# Altium PCB A8_multiple.PcbDoc (part 7 of 10)
Units mm, origin at the board's own origin, x right, y up, seen from the top; angles counter-clockwise.
Board outline 140 x 140 mm, 2 copper layers (Top Layer, Bottom Layer); 80 components, 0 nets, 928 pads, 160 vias.
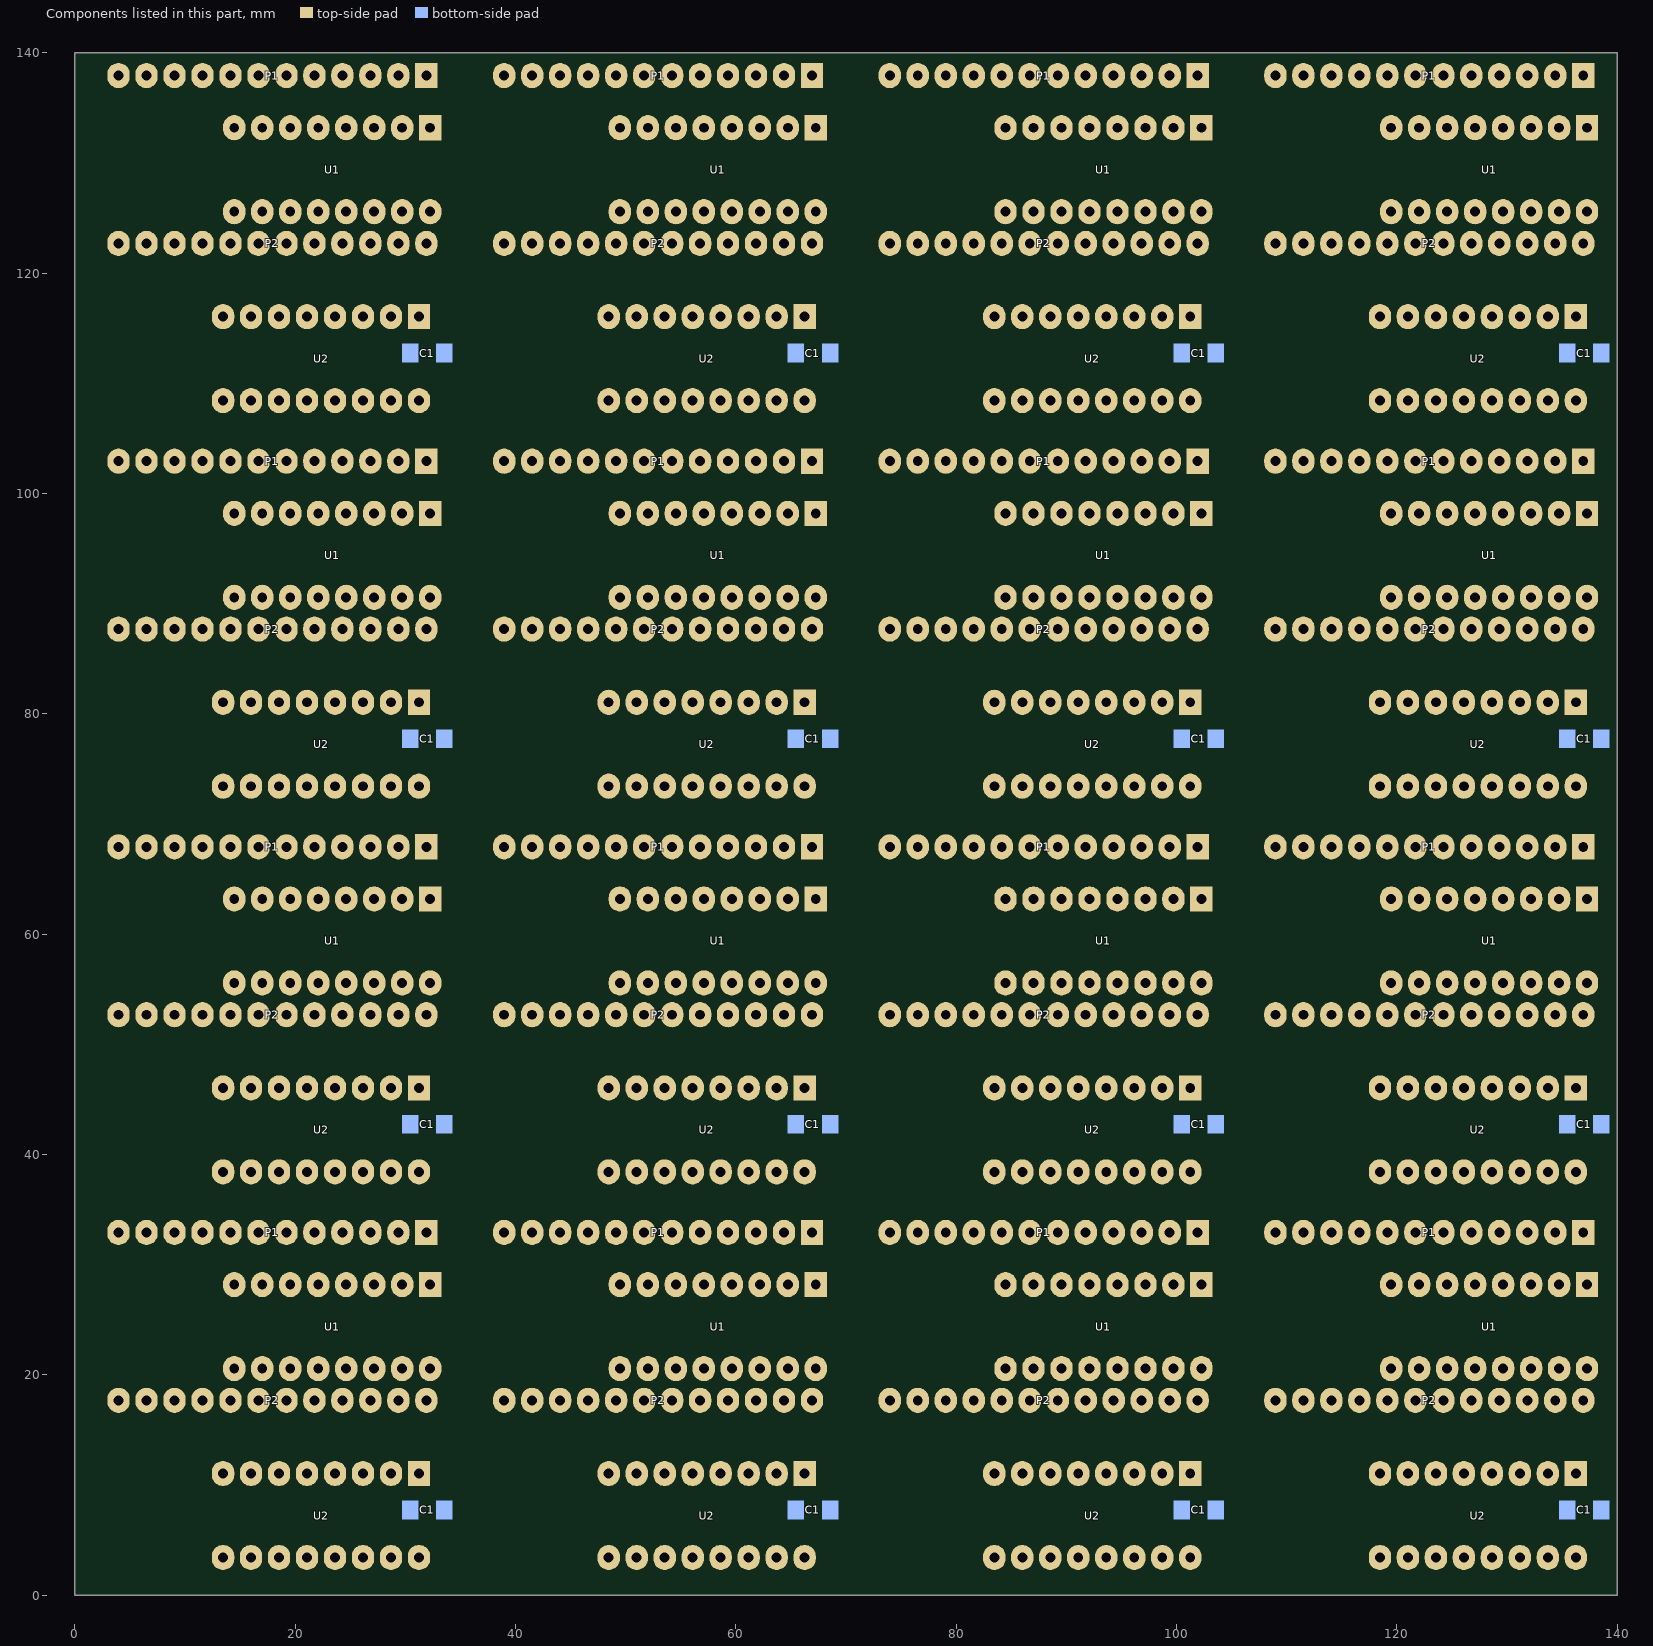
[diagram p7: the components of this part, seen from the top]

## Polygon pours and split planes (outlines as drawn) (continued)
no net on Bottom Layer "Top Layer-No Net 1" (solid, remove dead copper, pour order 28): 121.027,125.599 121.027,126.692 120.367,127.352 120.672,127.657 120.697,127.657 121.993,127.657 122.678,126.971 123.034,126.615 123.034,125.701
no net on Bottom Layer "Top Layer-No Net 1" (solid, remove dead copper, pour order 26): 119.605,124.456 118.64,124.456 118.03,125.066 117.7,125.396 116.659,125.396 116.074,125.396 114.804,126.666 114.931,126.793 119.3,126.793 119.808,126.793 120.215,126.387 120.088,126.26 120.088,125.218
no net on Bottom Layer "Top Layer-No Net 1" (solid, remove dead copper, pour order 24): 110.842,119.199 110.766,119.122 110.486,119.122 110.512,119.148 110.512,120.011 111.299,120.011 111.553,120.265
no net on Bottom Layer "Top Layer-No Net 1" (solid, remove dead copper, pour order 22): 112.518,122.836 112.518,120.748 111.477,119.707 111.375,119.605 110.817,119.605 110.664,119.453 110.207,118.995 110.207,118.97 110.512,119.275 110.512,120.342 110.512,122.602 110.867,122.958
no net on Bottom Layer "Top Layer-No Net 1" (solid, remove dead copper, pour order 20): 112.518,122.653 112.518,123.72 111.401,124.837 111.274,124.964 111.274,126.387 111.274,126.869 112.137,127.733 111.985,127.885 111.883,127.885 111.604,127.885 110.486,126.768 110.512,126.742 110.512,122.729
no net on Bottom Layer "Top Layer-No Net 1" (solid, remove dead copper, pour order 18): 111.299,128.165 111.655,128.52 114.296,128.52 114.296,128.901 113.712,129.486 113.433,129.765 111.68,129.765 111.68,129.587 111.096,129.003
no net on Bottom Layer "Top Layer-No Net 1" (solid, remove dead copper, pour order 16): 23 vertices, not listed, extent 108.226,127.301 110.664,134.845
no net on Bottom Layer "Top Layer-No Net 1" (solid, remove dead copper, pour order 14): 24 vertices, not listed, extent 105.686,127.123 109.978,139.061
no net on Bottom Layer "Top Layer-No Net 1" (solid, remove dead copper, pour order 12): 26 vertices, not listed, extent 110.512,127.276 116.252,137.944
no net on Bottom Layer "Top Layer-No Net 1" (solid, remove dead copper, pour order 10): 19 vertices, not listed, extent 112.264,130.756 114.855,138.172
no net on Bottom Layer "Top Layer-No Net 1" (solid, remove dead copper, pour order 8): 26 vertices, not listed, extent 118.411,132.076 126.311,136.344
no net on Bottom Layer "Top Layer-No Net 1" (solid, remove dead copper, pour order 6): 18 vertices, not listed, extent 133.702,133.829 138.122,137.969
no net on Bottom Layer "Top Layer-No Net 1" (solid, remove dead copper, pour order 4): 131.213,132.94 131.213,132.127 132.457,130.883 132.483,130.857 134.54,130.857 134.54,131.238 134.489,131.289 133.804,131.289 133.321,131.772 133.169,131.924 133.169,133.245 131.772,133.245 131.619,133.397
no net on Bottom Layer "Top Layer-No Net 1" (solid, remove dead copper, pour order 2): 126.946,136.267 126.057,137.156 126.057,137.918 127.657,137.918 127.758,138.02 127.758,134.489 127.835,134.413 128.114,134.134 128.114,133.143 127.581,133.143 126.971,133.753 126.844,133.88 126.844,134.997 126.844,135.15 127.022,135.328
no net on Bottom Layer "Top Layer-No Net 1" (solid, pour order 116): 70.686,112.417 70.686,125.549 70.914,125.777 70.965,125.726 70.965,124.71 70.965,111.782 71.092,111.655
no net on Bottom Layer "Top Layer-No Net 1" (solid, pour order 114): 77.442,105.686 76.731,105.686 75.817,106.6 70.686,111.731 70.686,112.417 71.041,112.417 72.235,111.223 77.493,105.965 77.645,105.965
no net on Bottom Layer "Top Layer-No Net 1" (solid, pour order 112): 91.082,133.143 91.082,133.829 91.641,134.388 91.819,134.566 91.819,134.794 91.819,136.953 91.539,137.233 92.504,136.267 92.504,135.836 92.581,135.759 92.581,133.143
no net on Bottom Layer "Top Layer-No Net 1" (solid, pour order 110): 88.136,136.191 88.72,136.191 88.999,136.471 89.736,137.207 89.736,137.283 89.609,137.283 88.974,137.918 88.263,137.207 88.263,136.623 88.263,136.572 88.009,136.318
no net on Bottom Layer "Top Layer-No Net 1" (solid, pour order 108): 84.554,136.09 85.011,136.09 85.596,136.674 85.672,136.75 85.672,137.969 87.678,137.969 87.678,137.36 87.196,136.877 86.104,135.785 85.85,135.785
no net on Bottom Layer "Top Layer-No Net 1" (solid, pour order 106): 83.487,136.674 84.427,136.674 84.859,137.106 84.554,137.41 83.919,137.41 83.589,137.41 83.462,137.283
no net on Bottom Layer "Top Layer-No Net 1" (solid, pour order 104): 80.287,135.023 82.344,137.08 82.344,137.41 81.989,137.41 81.595,137.804 80.592,136.801 80.592,136.115 80.592,136.039 80.135,135.582 80.084,135.531 80.084,135.023
no net on Bottom Layer "Top Layer-No Net 1" (solid, pour order 102): 97.686,108.404 97.686,111.248 96.238,112.696 96.111,112.823 96.111,113.077 96.67,113.077 98.905,110.842 99.718,110.029 99.718,108.378
no net on Bottom Layer "Top Layer-No Net 1" (solid, pour order 100): 95.171,108.429 95.171,111.147 94.663,111.655 94.181,112.137 94.181,112.315 95.4,112.315 96.695,111.02 97.178,110.537 97.178,108.378
no net on Bottom Layer "Top Layer-No Net 1" (solid, pour order 98): 92.631,108.48 92.631,110.334 91.717,111.248 92.022,111.553 92.2,111.553 92.86,111.553 93.597,111.553 94.333,110.817 94.638,110.512 94.638,108.429
no net on Bottom Layer "Top Layer-No Net 1" (solid, pour order 96): 20 vertices, not listed, extent 83.386,108.454 92.098,111.274
no net on Bottom Layer "Top Layer-No Net 1" (solid, pour order 94): 100.353,111.909 98.753,111.909 96.848,113.814 97.229,114.195 97.457,114.195 99.083,114.195 99.87,113.407 100.099,113.179 100.48,113.179
no net on Bottom Layer "Top Layer-No Net 1" (solid, pour order 92): 33 vertices, not listed, extent 100.226,106.676 104.138,127.657
no net on Bottom Layer "Top Layer-No Net 1" (solid, pour order 90): 100.226,116.074 100.226,118.64 99.82,119.046 98.702,120.164 98.702,120.748 98.702,121.332 98.55,121.485 98.346,121.688 98.346,122.729 100.378,122.729 100.378,120.977 101.115,120.24 102.258,119.097 102.258,115.414
no net on Bottom Layer "Top Layer-No Net 1" (solid, pour order 88): 97.737,121.18 98.118,120.799 98.118,120.392 98.118,119.707 98.473,119.351 97.838,119.986 97.559,119.986
no net on Bottom Layer "Top Layer-No Net 1" (solid, pour order 86): 97.686,115.998 97.686,119.529 97.356,119.859 97.33,119.884 97.33,120.469 95.832,121.967 95.832,122.729 97.838,122.729 97.838,120.215 98.931,119.122 99.718,118.335 99.718,116.024
no net on Bottom Layer "Top Layer-No Net 1" (solid, pour order 84): 95.146,116.049 95.146,117.878 94.968,118.056 94.46,118.564 94.46,120.037 94.46,120.215 95.298,121.053 96.111,121.053 96.441,120.723 96.873,120.291 96.873,120.265 96.873,119.757 97.076,119.554 97.178,119.453 97.178,116.074
no net on Bottom Layer "Top Layer-No Net 1" (solid, pour order 82): 17 vertices, not listed, extent 92.606,115.998 95.324,123.415
no net on Bottom Layer "Top Layer-No Net 1" (solid, pour order 80): 90.752,122.678 90.752,119.91 90.853,119.808 90.955,119.707 90.955,118.36 90.955,117.878 90.472,117.395 90.066,116.989 90.066,115.998 92.098,115.998 92.098,120.469 92.631,121.002 92.758,121.129 92.758,122.729
no net on Bottom Layer "Top Layer-No Net 1" (solid, pour order 78): 28 vertices, not listed, extent 82.446,113.611 90.549,119.681
no net on Bottom Layer "Top Layer-No Net 1" (solid, pour order 76): 87.272,120.519 88.212,121.459 88.212,122.577 90.041,122.577 90.218,122.755 90.218,121.256 89.406,120.443 89.075,120.113 88.161,120.113 87.729,120.113 87.196,119.58 86.383,118.767 85.85,118.767 85.85,118.995 85.799,119.046
no net on Bottom Layer "Top Layer-No Net 1" (solid, pour order 74): 85.672,122.704 85.672,121.078 85.215,120.621 84.605,120.011 84.605,119.656 85.494,119.656 87.196,121.358 87.678,121.84 87.678,122.78
no net on Bottom Layer "Top Layer-No Net 1" (solid, pour order 72): 82.446,120.646 83.132,121.332 83.132,122.805 85.113,122.805 85.138,122.78 85.138,121.383 84.961,121.205 84.173,120.418 82.598,120.418
no net on Bottom Layer "Top Layer-No Net 1" (solid, pour order 70): 82.598,122.729 82.598,121.383 81.582,120.367 81.151,119.935 80.668,119.935 80.643,119.961 80.643,122.78
no net on Bottom Layer "Top Layer-No Net 1" (solid, pour order 68): 83.462,107.311 82.522,107.311 80.998,108.835 76.909,112.925 76.909,113.306 76.985,113.23 77.823,113.23 78.687,113.23 79.22,112.696 81.354,110.563 82.776,110.563 83.36,110.563 84.199,109.724 84.478,109.445 84.478,108.429
no net on Bottom Layer "Top Layer-No Net 1" (solid, pour order 66): 78.687,106.524 78.001,106.524 77.874,106.651 72.057,112.468 72.057,113.128 74.191,110.994 78.407,106.778 78.788,106.778
no net on Bottom Layer "Top Layer-No Net 1" (solid, pour order 64): 84.986,108.404 84.986,107.438 84.3,106.753 84.605,106.448 85.265,106.448 86.104,106.448 86.535,106.88 87.018,107.362 87.018,108.454
no net on Bottom Layer "Top Layer-No Net 1" (solid, pour order 62): 87.526,108.454 87.526,106.829 86.942,106.245 86.688,105.991 86.332,105.991 86.332,105.965 86.612,105.686 88.263,105.686 89.482,106.905 89.558,106.981 89.558,108.454
no net on Bottom Layer "Top Layer-No Net 1" (solid, pour order 60): 70.686,124.152 70.686,125.701 71.422,126.438 72.819,126.438 73.48,127.098 73.556,127.022 73.556,126.869
no net on Bottom Layer "Top Layer-No Net 1" (solid, pour order 58): 73.433,115.033 73.785,115.033 74.115,115.363 73.734,115.744 73.734,115.77 73.404,115.77 73.099,115.465
no net on Bottom Layer "Top Layer-No Net 1" (solid, remove dead copper, pour order 56): 17 vertices, not listed, extent 72.616,115.033 74.928,125.549
no net on Bottom Layer "Top Layer-No Net 1" (solid, remove dead copper, pour order 54): 78.484,117.649 78.484,114.169 77.976,113.661 77.569,113.661 76.96,114.271 75.715,115.516 75.715,118.208 78.484,118.208
no net on Bottom Layer "Top Layer-No Net 1" (solid, remove dead copper, pour order 52): 24 vertices, not listed, extent 75.715,116.836 80.058,127.047
no net on Bottom Layer "Top Layer-No Net 1" (solid, remove dead copper, pour order 50): 96.721,135.886 97.432,135.175 97.889,135.175 97.94,135.175 98.575,134.54 98.778,134.743 99.337,134.743 99.337,134.947 97.737,136.547 97.711,136.521 96.594,136.521
no net on Bottom Layer "Top Layer-No Net 1" (solid, remove dead copper, pour order 48): 97.991,135.886 96.721,135.886 96.238,136.369 95.832,136.775 95.832,137.868 97.508,137.868 97.711,138.071 97.737,138.045 97.737,136.547 97.737,136.344 98.169,135.912
no net on Bottom Layer "Top Layer-No Net 1" (solid, remove dead copper, pour order 46): 95.654,133.194 95.654,135.886 95.324,136.217 95.298,136.242 95.298,137.868 93.393,137.868 93.317,137.944 93.317,134.997 93.597,134.718 93.622,134.693 93.622,133.169
no net on Bottom Layer "Top Layer-No Net 1" (solid, remove dead copper, pour order 44): 101.267,139.061 102.918,139.061 104.315,137.664 104.315,134.388 104.163,134.388 103.96,134.591 101.267,137.283 101.242,137.283
no net on Bottom Layer "Top Layer-No Net 1" (solid, remove dead copper, pour order 42): 75.512,136.852 75.512,135.378 76.045,134.845 76.426,134.464 76.426,136.09 76.579,136.242 76.655,136.318 76.655,137.283 75.715,137.283 75.512,137.487
no net on Bottom Layer "Top Layer-No Net 1" (solid, pour order 40): 74.978,136.572 74.978,135.734 74.724,135.48 74.623,135.378 73.505,135.378 73.505,136.318 73.962,136.775
no net on Bottom Layer "Top Layer-No Net 1" (solid, remove dead copper, pour order 38): 98.727,125.498 98.727,127.86 98.169,128.419 96.568,130.019 96.568,130.375 96.975,129.968 98.499,129.968 98.778,129.968 99.87,128.876 100.709,128.038 100.709,125.498
no net on Bottom Layer "Top Layer-No Net 1" (solid, remove dead copper, pour order 36): 96.162,125.523 96.162,128.52 94.994,129.689 94.257,130.425 94.028,130.425 94.028,130.679 94.079,130.73 94.968,130.73 96.899,128.8 98.194,127.504 98.194,125.447
no net on Bottom Layer "Top Layer-No Net 1" (solid, remove dead copper, pour order 34): 93.622,125.549 93.622,128.546 92.885,129.282 92.504,129.663 92.2,129.663 92.301,129.663 92.606,129.968 93.698,129.968 94.689,128.978 95.654,128.012 95.654,125.549
no net on Bottom Layer "Top Layer-No Net 1" (solid, remove dead copper, pour order 32): 91.082,125.549 91.082,128.089 90.32,128.851 90.269,128.901 90.269,129.206 91.869,129.206 92.835,128.241 93.114,127.962 93.114,125.625
no net on Bottom Layer "Top Layer-No Net 1" (solid, remove dead copper, pour order 30): 88.542,125.523 88.542,127.301 88.034,127.809 87.577,128.266 87.272,128.266 87.348,128.266 87.526,128.444 89.609,128.444 90.142,127.911 90.574,127.479 90.574,125.599
no net on Bottom Layer "Top Layer-No Net 1" (solid, remove dead copper, pour order 28): 86.027,125.599 86.027,126.692 85.367,127.352 85.672,127.657 85.697,127.657 86.993,127.657 87.678,126.971 88.034,126.615 88.034,125.701
no net on Bottom Layer "Top Layer-No Net 1" (solid, remove dead copper, pour order 26): 84.605,124.456 83.64,124.456 83.03,125.066 82.7,125.396 81.659,125.396 81.074,125.396 79.804,126.666 79.931,126.793 84.3,126.793 84.808,126.793 85.215,126.387 85.088,126.26 85.088,125.218
no net on Bottom Layer "Top Layer-No Net 1" (solid, remove dead copper, pour order 24): 75.842,119.199 75.766,119.122 75.486,119.122 75.512,119.148 75.512,120.011 76.299,120.011 76.553,120.265
no net on Bottom Layer "Top Layer-No Net 1" (solid, remove dead copper, pour order 22): 77.518,122.836 77.518,120.748 76.477,119.707 76.375,119.605 75.817,119.605 75.664,119.453 75.207,118.995 75.207,118.97 75.512,119.275 75.512,120.342 75.512,122.602 75.867,122.958
no net on Bottom Layer "Top Layer-No Net 1" (solid, remove dead copper, pour order 20): 77.518,122.653 77.518,123.72 76.401,124.837 76.274,124.964 76.274,126.387 76.274,126.869 77.137,127.733 76.985,127.885 76.883,127.885 76.604,127.885 75.486,126.768 75.512,126.742 75.512,122.729
no net on Bottom Layer "Top Layer-No Net 1" (solid, remove dead copper, pour order 18): 76.299,128.165 76.655,128.52 79.296,128.52 79.296,128.901 78.712,129.486 78.433,129.765 76.68,129.765 76.68,129.587 76.096,129.003
no net on Bottom Layer "Top Layer-No Net 1" (solid, remove dead copper, pour order 16): 23 vertices, not listed, extent 73.226,127.301 75.664,134.845
no net on Bottom Layer "Top Layer-No Net 1" (solid, remove dead copper, pour order 14): 24 vertices, not listed, extent 70.686,127.123 74.978,139.061
no net on Bottom Layer "Top Layer-No Net 1" (solid, remove dead copper, pour order 12): 26 vertices, not listed, extent 75.512,127.276 81.252,137.944
no net on Bottom Layer "Top Layer-No Net 1" (solid, remove dead copper, pour order 10): 19 vertices, not listed, extent 77.264,130.756 79.855,138.172
no net on Bottom Layer "Top Layer-No Net 1" (solid, remove dead copper, pour order 8): 26 vertices, not listed, extent 83.411,132.076 91.311,136.344
no net on Bottom Layer "Top Layer-No Net 1" (solid, remove dead copper, pour order 6): 18 vertices, not listed, extent 98.702,133.829 103.122,137.969
no net on Bottom Layer "Top Layer-No Net 1" (solid, remove dead copper, pour order 4): 96.213,132.94 96.213,132.127 97.457,130.883 97.483,130.857 99.54,130.857 99.54,131.238 99.489,131.289 98.804,131.289 98.321,131.772 98.169,131.924 98.169,133.245 96.772,133.245 96.619,133.397
no net on Bottom Layer "Top Layer-No Net 1" (solid, remove dead copper, pour order 2): 91.946,136.267 91.057,137.156 91.057,137.918 92.657,137.918 92.758,138.02 92.758,134.489 92.835,134.413 93.114,134.134 93.114,133.143 92.581,133.143 91.971,133.753 91.844,133.88 91.844,134.997 91.844,135.15 92.022,135.328
no net on Bottom Layer "Top Layer-No Net 1" (solid, pour order 116): 35.686,112.417 35.686,125.549 35.914,125.777 35.965,125.726 35.965,124.71 35.965,111.782 36.092,111.655
no net on Bottom Layer "Top Layer-No Net 1" (solid, pour order 114): 42.442,105.686 41.731,105.686 40.817,106.6 35.686,111.731 35.686,112.417 36.041,112.417 37.235,111.223 42.493,105.965 42.645,105.965
no net on Bottom Layer "Top Layer-No Net 1" (solid, pour order 112): 56.082,133.143 56.082,133.829 56.641,134.388 56.819,134.566 56.819,134.794 56.819,136.953 56.539,137.233 57.504,136.267 57.504,135.836 57.581,135.759 57.581,133.143
no net on Bottom Layer "Top Layer-No Net 1" (solid, pour order 110): 53.136,136.191 53.72,136.191 53.999,136.471 54.736,137.207 54.736,137.283 54.609,137.283 53.974,137.918 53.263,137.207 53.263,136.623 53.263,136.572 53.009,136.318
no net on Bottom Layer "Top Layer-No Net 1" (solid, pour order 108): 49.554,136.09 50.011,136.09 50.596,136.674 50.672,136.75 50.672,137.969 52.678,137.969 52.678,137.36 52.196,136.877 51.104,135.785 50.85,135.785
no net on Bottom Layer "Top Layer-No Net 1" (solid, pour order 106): 48.487,136.674 49.427,136.674 49.859,137.106 49.554,137.41 48.919,137.41 48.589,137.41 48.462,137.283
no net on Bottom Layer "Top Layer-No Net 1" (solid, pour order 104): 45.287,135.023 47.344,137.08 47.344,137.41 46.989,137.41 46.595,137.804 45.592,136.801 45.592,136.115 45.592,136.039 45.135,135.582 45.084,135.531 45.084,135.023
no net on Bottom Layer "Top Layer-No Net 1" (solid, pour order 102): 62.686,108.404 62.686,111.248 61.238,112.696 61.111,112.823 61.111,113.077 61.67,113.077 63.905,110.842 64.718,110.029 64.718,108.378
no net on Bottom Layer "Top Layer-No Net 1" (solid, pour order 100): 60.171,108.429 60.171,111.147 59.663,111.655 59.181,112.137 59.181,112.315 60.4,112.315 61.695,111.02 62.178,110.537 62.178,108.378
no net on Bottom Layer "Top Layer-No Net 1" (solid, pour order 98): 57.631,108.48 57.631,110.334 56.717,111.248 57.022,111.553 57.2,111.553 57.86,111.553 58.597,111.553 59.333,110.817 59.638,110.512 59.638,108.429
no net on Bottom Layer "Top Layer-No Net 1" (solid, pour order 96): 20 vertices, not listed, extent 48.386,108.454 57.098,111.274
no net on Bottom Layer "Top Layer-No Net 1" (solid, pour order 94): 65.353,111.909 63.753,111.909 61.848,113.814 62.229,114.195 62.457,114.195 64.083,114.195 64.87,113.407 65.099,113.179 65.48,113.179
no net on Bottom Layer "Top Layer-No Net 1" (solid, pour order 92): 33 vertices, not listed, extent 65.226,106.676 69.138,127.657
no net on Bottom Layer "Top Layer-No Net 1" (solid, pour order 90): 65.226,116.074 65.226,118.64 64.82,119.046 63.702,120.164 63.702,120.748 63.702,121.332 63.55,121.485 63.346,121.688 63.346,122.729 65.378,122.729 65.378,120.977 66.115,120.24 67.258,119.097 67.258,115.414
no net on Bottom Layer "Top Layer-No Net 1" (solid, pour order 88): 62.737,121.18 63.118,120.799 63.118,120.392 63.118,119.707 63.473,119.351 62.838,119.986 62.559,119.986
no net on Bottom Layer "Top Layer-No Net 1" (solid, pour order 86): 62.686,115.998 62.686,119.529 62.356,119.859 62.33,119.884 62.33,120.469 60.832,121.967 60.832,122.729 62.838,122.729 62.838,120.215 63.931,119.122 64.718,118.335 64.718,116.024
no net on Bottom Layer "Top Layer-No Net 1" (solid, pour order 84): 60.146,116.049 60.146,117.878 59.968,118.056 59.46,118.564 59.46,120.037 59.46,120.215 60.298,121.053 61.111,121.053 61.441,120.723 61.873,120.291 61.873,120.265 61.873,119.757 62.076,119.554 62.178,119.453 62.178,116.074
no net on Bottom Layer "Top Layer-No Net 1" (solid, pour order 82): 17 vertices, not listed, extent 57.606,115.998 60.324,123.415
no net on Bottom Layer "Top Layer-No Net 1" (solid, pour order 80): 55.752,122.678 55.752,119.91 55.853,119.808 55.955,119.707 55.955,118.36 55.955,117.878 55.472,117.395 55.066,116.989 55.066,115.998 57.098,115.998 57.098,120.469 57.631,121.002 57.758,121.129 57.758,122.729
no net on Bottom Layer "Top Layer-No Net 1" (solid, pour order 78): 28 vertices, not listed, extent 47.446,113.611 55.549,119.681
no net on Bottom Layer "Top Layer-No Net 1" (solid, pour order 76): 52.272,120.519 53.212,121.459 53.212,122.577 55.041,122.577 55.218,122.755 55.218,121.256 54.406,120.443 54.075,120.113 53.161,120.113 52.729,120.113 52.196,119.58 51.383,118.767 50.85,118.767 50.85,118.995 50.799,119.046
no net on Bottom Layer "Top Layer-No Net 1" (solid, pour order 74): 50.672,122.704 50.672,121.078 50.215,120.621 49.605,120.011 49.605,119.656 50.494,119.656 52.196,121.358 52.678,121.84 52.678,122.78
no net on Bottom Layer "Top Layer-No Net 1" (solid, pour order 72): 47.446,120.646 48.132,121.332 48.132,122.805 50.113,122.805 50.138,122.78 50.138,121.383 49.961,121.205 49.173,120.418 47.598,120.418
no net on Bottom Layer "Top Layer-No Net 1" (solid, pour order 70): 47.598,122.729 47.598,121.383 46.582,120.367 46.151,119.935 45.668,119.935 45.643,119.961 45.643,122.78
no net on Bottom Layer "Top Layer-No Net 1" (solid, pour order 68): 48.462,107.311 47.522,107.311 45.998,108.835 41.909,112.925 41.909,113.306 41.985,113.23 42.823,113.23 43.687,113.23 44.22,112.696 46.354,110.563 47.776,110.563 48.36,110.563 49.199,109.724 49.478,109.445 49.478,108.429
no net on Bottom Layer "Top Layer-No Net 1" (solid, pour order 66): 43.687,106.524 43.001,106.524 42.874,106.651 37.057,112.468 37.057,113.128 39.191,110.994 43.407,106.778 43.788,106.778
no net on Bottom Layer "Top Layer-No Net 1" (solid, pour order 64): 49.986,108.404 49.986,107.438 49.3,106.753 49.605,106.448 50.265,106.448 51.104,106.448 51.535,106.88 52.018,107.362 52.018,108.454
no net on Bottom Layer "Top Layer-No Net 1" (solid, pour order 62): 52.526,108.454 52.526,106.829 51.942,106.245 51.688,105.991 51.332,105.991 51.332,105.965 51.612,105.686 53.263,105.686 54.482,106.905 54.558,106.981 54.558,108.454
no net on Bottom Layer "Top Layer-No Net 1" (solid, pour order 60): 35.686,124.152 35.686,125.701 36.422,126.438 37.819,126.438 38.48,127.098 38.556,127.022 38.556,126.869
no net on Bottom Layer "Top Layer-No Net 1" (solid, pour order 58): 38.433,115.033 38.785,115.033 39.115,115.363 38.734,115.744 38.734,115.77 38.404,115.77 38.099,115.465
no net on Bottom Layer "Top Layer-No Net 1" (solid, remove dead copper, pour order 56): 17 vertices, not listed, extent 37.616,115.033 39.928,125.549
no net on Bottom Layer "Top Layer-No Net 1" (solid, remove dead copper, pour order 54): 43.484,117.649 43.484,114.169 42.976,113.661 42.569,113.661 41.96,114.271 40.715,115.516 40.715,118.208 43.484,118.208
no net on Bottom Layer "Top Layer-No Net 1" (solid, remove dead copper, pour order 52): 24 vertices, not listed, extent 40.715,116.836 45.058,127.047
no net on Bottom Layer "Top Layer-No Net 1" (solid, remove dead copper, pour order 50): 61.721,135.886 62.432,135.175 62.889,135.175 62.94,135.175 63.575,134.54 63.778,134.743 64.337,134.743 64.337,134.947 62.737,136.547 62.711,136.521 61.594,136.521
no net on Bottom Layer "Top Layer-No Net 1" (solid, remove dead copper, pour order 48): 62.991,135.886 61.721,135.886 61.238,136.369 60.832,136.775 60.832,137.868 62.508,137.868 62.711,138.071 62.737,138.045 62.737,136.547 62.737,136.344 63.169,135.912
no net on Bottom Layer "Top Layer-No Net 1" (solid, remove dead copper, pour order 46): 60.654,133.194 60.654,135.886 60.324,136.217 60.298,136.242 60.298,137.868 58.393,137.868 58.317,137.944 58.317,134.997 58.597,134.718 58.622,134.693 58.622,133.169
no net on Bottom Layer "Top Layer-No Net 1" (solid, remove dead copper, pour order 44): 66.267,139.061 67.918,139.061 69.315,137.664 69.315,134.388 69.163,134.388 68.96,134.591 66.267,137.283 66.242,137.283
no net on Bottom Layer "Top Layer-No Net 1" (solid, remove dead copper, pour order 42): 40.512,136.852 40.512,135.378 41.045,134.845 41.426,134.464 41.426,136.09 41.579,136.242 41.655,136.318 41.655,137.283 40.715,137.283 40.512,137.487
no net on Bottom Layer "Top Layer-No Net 1" (solid, pour order 40): 39.978,136.572 39.978,135.734 39.724,135.48 39.623,135.378 38.505,135.378 38.505,136.318 38.962,136.775
no net on Bottom Layer "Top Layer-No Net 1" (solid, remove dead copper, pour order 38): 63.727,125.498 63.727,127.86 63.169,128.419 61.568,130.019 61.568,130.375 61.975,129.968 63.499,129.968 63.778,129.968 64.87,128.876 65.709,128.038 65.709,125.498
no net on Bottom Layer "Top Layer-No Net 1" (solid, remove dead copper, pour order 36): 61.162,125.523 61.162,128.52 59.994,129.689 59.257,130.425 59.028,130.425 59.028,130.679 59.079,130.73 59.968,130.73 61.899,128.8 63.194,127.504 63.194,125.447
no net on Bottom Layer "Top Layer-No Net 1" (solid, remove dead copper, pour order 34): 58.622,125.549 58.622,128.546 57.885,129.282 57.504,129.663 57.2,129.663 57.301,129.663 57.606,129.968 58.698,129.968 59.689,128.978 60.654,128.012 60.654,125.549
no net on Bottom Layer "Top Layer-No Net 1" (solid, remove dead copper, pour order 32): 56.082,125.549 56.082,128.089 55.32,128.851 55.269,128.901 55.269,129.206 56.869,129.206 57.835,128.241 58.114,127.962 58.114,125.625
no net on Bottom Layer "Top Layer-No Net 1" (solid, remove dead copper, pour order 30): 53.542,125.523 53.542,127.301 53.034,127.809 52.577,128.266 52.272,128.266 52.348,128.266 52.526,128.444 54.609,128.444 55.142,127.911 55.574,127.479 55.574,125.599
no net on Bottom Layer "Top Layer-No Net 1" (solid, remove dead copper, pour order 28): 51.027,125.599 51.027,126.692 50.367,127.352 50.672,127.657 50.697,127.657 51.993,127.657 52.678,126.971 53.034,126.615 53.034,125.701
no net on Bottom Layer "Top Layer-No Net 1" (solid, remove dead copper, pour order 26): 49.605,124.456 48.64,124.456 48.03,125.066 47.7,125.396 46.659,125.396 46.074,125.396 44.804,126.666 44.931,126.793 49.3,126.793 49.808,126.793 50.215,126.387 50.088,126.26 50.088,125.218
no net on Bottom Layer "Top Layer-No Net 1" (solid, remove dead copper, pour order 24): 40.842,119.199 40.766,119.122 40.486,119.122 40.512,119.148 40.512,120.011 41.299,120.011 41.553,120.265
no net on Bottom Layer "Top Layer-No Net 1" (solid, remove dead copper, pour order 22): 42.518,122.836 42.518,120.748 41.477,119.707 41.375,119.605 40.817,119.605 40.664,119.453 40.207,118.995 40.207,118.97 40.512,119.275 40.512,120.342 40.512,122.602 40.867,122.958
no net on Bottom Layer "Top Layer-No Net 1" (solid, remove dead copper, pour order 20): 42.518,122.653 42.518,123.72 41.401,124.837 41.274,124.964 41.274,126.387 41.274,126.869 42.137,127.733 41.985,127.885 41.883,127.885 41.604,127.885 40.486,126.768 40.512,126.742 40.512,122.729
no net on Bottom Layer "Top Layer-No Net 1" (solid, remove dead copper, pour order 18): 41.299,128.165 41.655,128.52 44.296,128.52 44.296,128.901 43.712,129.486 43.433,129.765 41.68,129.765 41.68,129.587 41.096,129.003
no net on Bottom Layer "Top Layer-No Net 1" (solid, remove dead copper, pour order 16): 23 vertices, not listed, extent 38.226,127.301 40.664,134.845
no net on Bottom Layer "Top Layer-No Net 1" (solid, remove dead copper, pour order 14): 24 vertices, not listed, extent 35.686,127.123 39.978,139.061
no net on Bottom Layer "Top Layer-No Net 1" (solid, remove dead copper, pour order 12): 26 vertices, not listed, extent 40.512,127.276 46.252,137.944
no net on Bottom Layer "Top Layer-No Net 1" (solid, remove dead copper, pour order 10): 19 vertices, not listed, extent 42.264,130.756 44.855,138.172
no net on Bottom Layer "Top Layer-No Net 1" (solid, remove dead copper, pour order 8): 26 vertices, not listed, extent 48.411,132.076 56.311,136.344
no net on Bottom Layer "Top Layer-No Net 1" (solid, remove dead copper, pour order 6): 18 vertices, not listed, extent 63.702,133.829 68.122,137.969
no net on Bottom Layer "Top Layer-No Net 1" (solid, remove dead copper, pour order 4): 61.213,132.94 61.213,132.127 62.457,130.883 62.483,130.857 64.54,130.857 64.54,131.238 64.489,131.289 63.804,131.289 63.321,131.772 63.169,131.924 63.169,133.245 61.772,133.245 61.619,133.397
no net on Bottom Layer "Top Layer-No Net 1" (solid, remove dead copper, pour order 2): 56.946,136.267 56.057,137.156 56.057,137.918 57.657,137.918 57.758,138.02 57.758,134.489 57.835,134.413 58.114,134.134 58.114,133.143 57.581,133.143 56.971,133.753 56.844,133.88 56.844,134.997 56.844,135.15 57.022,135.328
no net on Bottom Layer "Top Layer-No Net 1" (solid, pour order 116): 0.686,112.417 0.686,125.549 0.914,125.777 0.965,125.726 0.965,124.71 0.965,111.782 1.092,111.655
no net on Bottom Layer "Top Layer-No Net 1" (solid, pour order 114): 7.442,105.686 6.731,105.686 5.817,106.6 0.686,111.731 0.686,112.417 1.041,112.417 2.235,111.223 7.493,105.965 7.645,105.965
no net on Bottom Layer "Top Layer-No Net 1" (solid, pour order 112): 21.082,133.143 21.082,133.829 21.641,134.388 21.819,134.566 21.819,134.794 21.819,136.953 21.539,137.233 22.504,136.267 22.504,135.836 22.581,135.759 22.581,133.143
no net on Bottom Layer "Top Layer-No Net 1" (solid, pour order 110): 18.136,136.191 18.72,136.191 18.999,136.471 19.736,137.207 19.736,137.283 19.609,137.283 18.974,137.918 18.263,137.207 18.263,136.623 18.263,136.572 18.009,136.318
no net on Bottom Layer "Top Layer-No Net 1" (solid, pour order 108): 14.554,136.09 15.011,136.09 15.596,136.674 15.672,136.75 15.672,137.969 17.678,137.969 17.678,137.36 17.196,136.877 16.104,135.785 15.85,135.785
no net on Bottom Layer "Top Layer-No Net 1" (solid, pour order 106): 13.487,136.674 14.427,136.674 14.859,137.106 14.554,137.41 13.919,137.41 13.589,137.41 13.462,137.283
no net on Bottom Layer "Top Layer-No Net 1" (solid, pour order 104): 10.287,135.023 12.344,137.08 12.344,137.41 11.989,137.41 11.595,137.804 10.592,136.801 10.592,136.115 10.592,136.039 10.135,135.582 10.084,135.531 10.084,135.023
no net on Bottom Layer "Top Layer-No Net 1" (solid, pour order 102): 27.686,108.404 27.686,111.248 26.238,112.696 26.111,112.823 26.111,113.077 26.67,113.077 28.905,110.842 29.718,110.029 29.718,108.378
no net on Bottom Layer "Top Layer-No Net 1" (solid, pour order 100): 25.171,108.429 25.171,111.147 24.663,111.655 24.181,112.137 24.181,112.315 25.4,112.315 26.695,111.02 27.178,110.537 27.178,108.378
no net on Bottom Layer "Top Layer-No Net 1" (solid, pour order 98): 22.631,108.48 22.631,110.334 21.717,111.248 22.022,111.553 22.2,111.553 22.86,111.553 23.597,111.553 24.333,110.817 24.638,110.512 24.638,108.429
no net on Bottom Layer "Top Layer-No Net 1" (solid, pour order 96): 20 vertices, not listed, extent 13.386,108.454 22.098,111.274
no net on Bottom Layer "Top Layer-No Net 1" (solid, pour order 94): 30.353,111.909 28.753,111.909 26.848,113.814 27.229,114.195 27.457,114.195 29.083,114.195 29.87,113.407 30.099,113.179 30.48,113.179
no net on Bottom Layer "Top Layer-No Net 1" (solid, pour order 92): 33 vertices, not listed, extent 30.226,106.676 34.138,127.657
no net on Bottom Layer "Top Layer-No Net 1" (solid, pour order 90): 30.226,116.074 30.226,118.64 29.82,119.046 28.702,120.164 28.702,120.748 28.702,121.332 28.55,121.485 28.346,121.688 28.346,122.729 30.378,122.729 30.378,120.977 31.115,120.24 32.258,119.097 32.258,115.414
no net on Bottom Layer "Top Layer-No Net 1" (solid, pour order 88): 27.737,121.18 28.118,120.799 28.118,120.392 28.118,119.707 28.473,119.351 27.838,119.986 27.559,119.986
no net on Bottom Layer "Top Layer-No Net 1" (solid, pour order 86): 27.686,115.998 27.686,119.529 27.356,119.859 27.33,119.884 27.33,120.469 25.832,121.967 25.832,122.729 27.838,122.729 27.838,120.215 28.931,119.122 29.718,118.335 29.718,116.024
no net on Bottom Layer "Top Layer-No Net 1" (solid, pour order 84): 25.146,116.049 25.146,117.878 24.968,118.056 24.46,118.564 24.46,120.037 24.46,120.215 25.298,121.053 26.111,121.053 26.441,120.723 26.873,120.291 26.873,120.265 26.873,119.757 27.076,119.554 27.178,119.453 27.178,116.074
no net on Bottom Layer "Top Layer-No Net 1" (solid, pour order 82): 17 vertices, not listed, extent 22.606,115.998 25.324,123.415
no net on Bottom Layer "Top Layer-No Net 1" (solid, pour order 80): 20.752,122.678 20.752,119.91 20.853,119.808 20.955,119.707 20.955,118.36 20.955,117.878 20.472,117.395 20.066,116.989 20.066,115.998 22.098,115.998 22.098,120.469 22.631,121.002 22.758,121.129 22.758,122.729
no net on Bottom Layer "Top Layer-No Net 1" (solid, pour order 78): 28 vertices, not listed, extent 12.446,113.611 20.549,119.681
no net on Bottom Layer "Top Layer-No Net 1" (solid, pour order 76): 17.272,120.519 18.212,121.459 18.212,122.577 20.041,122.577 20.218,122.755 20.218,121.256 19.406,120.443 19.075,120.113 18.161,120.113 17.729,120.113 17.196,119.58 16.383,118.767 15.85,118.767 15.85,118.995 15.799,119.046
no net on Bottom Layer "Top Layer-No Net 1" (solid, pour order 74): 15.672,122.704 15.672,121.078 15.215,120.621 14.605,120.011 14.605,119.656 15.494,119.656 17.196,121.358 17.678,121.84 17.678,122.78
no net on Bottom Layer "Top Layer-No Net 1" (solid, pour order 72): 12.446,120.646 13.132,121.332 13.132,122.805 15.113,122.805 15.138,122.78 15.138,121.383 14.961,121.205 14.173,120.418 12.598,120.418
no net on Bottom Layer "Top Layer-No Net 1" (solid, pour order 70): 12.598,122.729 12.598,121.383 11.582,120.367 11.151,119.935 10.668,119.935 10.643,119.961 10.643,122.78
no net on Bottom Layer "Top Layer-No Net 1" (solid, pour order 68): 13.462,107.311 12.522,107.311 10.998,108.835 6.909,112.925 6.909,113.306 6.985,113.23 7.823,113.23 8.687,113.23 9.22,112.696 11.354,110.563 12.776,110.563 13.36,110.563 14.199,109.724 14.478,109.445 14.478,108.429
no net on Bottom Layer "Top Layer-No Net 1" (solid, pour order 66): 8.687,106.524 8.001,106.524 7.874,106.651 2.057,112.468 2.057,113.128 4.191,110.994 8.407,106.778 8.788,106.778
no net on Bottom Layer "Top Layer-No Net 1" (solid, pour order 64): 14.986,108.404 14.986,107.438 14.3,106.753 14.605,106.448 15.265,106.448 16.104,106.448 16.535,106.88 17.018,107.362 17.018,108.454
no net on Bottom Layer "Top Layer-No Net 1" (solid, pour order 62): 17.526,108.454 17.526,106.829 16.942,106.245 16.688,105.991 16.332,105.991 16.332,105.965 16.612,105.686 18.263,105.686 19.482,106.905 19.558,106.981 19.558,108.454
no net on Bottom Layer "Top Layer-No Net 1" (solid, pour order 60): 0.686,124.152 0.686,125.701 1.422,126.438 2.819,126.438 3.48,127.098 3.556,127.022 3.556,126.869
no net on Bottom Layer "Top Layer-No Net 1" (solid, pour order 58): 3.433,115.033 3.785,115.033 4.115,115.363 3.734,115.744 3.734,115.77 3.404,115.77 3.099,115.465
no net on Bottom Layer "Top Layer-No Net 1" (solid, remove dead copper, pour order 56): 17 vertices, not listed, extent 2.616,115.033 4.928,125.549
no net on Bottom Layer "Top Layer-No Net 1" (solid, remove dead copper, pour order 54): 8.484,117.649 8.484,114.169 7.976,113.661 7.569,113.661 6.96,114.271 5.715,115.516 5.715,118.208 8.484,118.208
no net on Bottom Layer "Top Layer-No Net 1" (solid, remove dead copper, pour order 52): 24 vertices, not listed, extent 5.715,116.836 10.058,127.047
no net on Bottom Layer "Top Layer-No Net 1" (solid, remove dead copper, pour order 50): 26.721,135.886 27.432,135.175 27.889,135.175 27.94,135.175 28.575,134.54 28.778,134.743 29.337,134.743 29.337,134.947 27.737,136.547 27.711,136.521 26.594,136.521
no net on Bottom Layer "Top Layer-No Net 1" (solid, remove dead copper, pour order 48): 27.991,135.886 26.721,135.886 26.238,136.369 25.832,136.775 25.832,137.868 27.508,137.868 27.711,138.071 27.737,138.045 27.737,136.547 27.737,136.344 28.169,135.912
no net on Bottom Layer "Top Layer-No Net 1" (solid, remove dead copper, pour order 46): 25.654,133.194 25.654,135.886 25.324,136.217 25.298,136.242 25.298,137.868 23.393,137.868 23.317,137.944 23.317,134.997 23.597,134.718 23.622,134.693 23.622,133.169
no net on Bottom Layer "Top Layer-No Net 1" (solid, remove dead copper, pour order 44): 31.267,139.061 32.918,139.061 34.315,137.664 34.315,134.388 34.163,134.388 33.96,134.591 31.267,137.283 31.242,137.283
no net on Bottom Layer "Top Layer-No Net 1" (solid, remove dead copper, pour order 42): 5.512,136.852 5.512,135.378 6.045,134.845 6.426,134.464 6.426,136.09 6.579,136.242 6.655,136.318 6.655,137.283 5.715,137.283 5.512,137.487
no net on Bottom Layer "Top Layer-No Net 1" (solid, pour order 40): 4.978,136.572 4.978,135.734 4.724,135.48 4.623,135.378 3.505,135.378 3.505,136.318 3.962,136.775
no net on Bottom Layer "Top Layer-No Net 1" (solid, remove dead copper, pour order 38): 28.727,125.498 28.727,127.86 28.169,128.419 26.568,130.019 26.568,130.375 26.975,129.968 28.499,129.968 28.778,129.968 29.87,128.876 30.709,128.038 30.709,125.498
no net on Bottom Layer "Top Layer-No Net 1" (solid, remove dead copper, pour order 36): 26.162,125.523 26.162,128.52 24.994,129.689 24.257,130.425 24.028,130.425 24.028,130.679 24.079,130.73 24.968,130.73 26.899,128.8 28.194,127.504 28.194,125.447
no net on Bottom Layer "Top Layer-No Net 1" (solid, remove dead copper, pour order 34): 23.622,125.549 23.622,128.546 22.885,129.282 22.504,129.663 22.2,129.663 22.301,129.663 22.606,129.968 23.698,129.968 24.689,128.978 25.654,128.012 25.654,125.549
no net on Bottom Layer "Top Layer-No Net 1" (solid, remove dead copper, pour order 32): 21.082,125.549 21.082,128.089 20.32,128.851 20.269,128.901 20.269,129.206 21.869,129.206 22.835,128.241 23.114,127.962 23.114,125.625
no net on Bottom Layer "Top Layer-No Net 1" (solid, remove dead copper, pour order 30): 18.542,125.523 18.542,127.301 18.034,127.809 17.577,128.266 17.272,128.266 17.348,128.266 17.526,128.444 19.609,128.444 20.142,127.911 20.574,127.479 20.574,125.599
no net on Bottom Layer "Top Layer-No Net 1" (solid, remove dead copper, pour order 28): 16.027,125.599 16.027,126.692 15.367,127.352 15.672,127.657 15.697,127.657 16.993,127.657 17.678,126.971 18.034,126.615 18.034,125.701
no net on Bottom Layer "Top Layer-No Net 1" (solid, remove dead copper, pour order 26): 14.605,124.456 13.64,124.456 13.03,125.066 12.7,125.396 11.659,125.396 11.074,125.396 9.804,126.666 9.931,126.793 14.3,126.793 14.808,126.793 15.215,126.387 15.088,126.26 15.088,125.218
no net on Bottom Layer "Top Layer-No Net 1" (solid, remove dead copper, pour order 24): 5.842,119.199 5.766,119.122 5.486,119.122 5.512,119.148 5.512,120.011 6.299,120.011 6.553,120.265
no net on Bottom Layer "Top Layer-No Net 1" (solid, remove dead copper, pour order 22): 7.518,122.836 7.518,120.748 6.477,119.707 6.375,119.605 5.817,119.605 5.664,119.453 5.207,118.995 5.207,118.97 5.512,119.275 5.512,120.342 5.512,122.602 5.867,122.958
no net on Bottom Layer "Top Layer-No Net 1" (solid, remove dead copper, pour order 20): 7.518,122.653 7.518,123.72 6.401,124.837 6.274,124.964 6.274,126.387 6.274,126.869 7.137,127.733 6.985,127.885 6.883,127.885 6.604,127.885 5.486,126.768 5.512,126.742 5.512,122.729
no net on Bottom Layer "Top Layer-No Net 1" (solid, remove dead copper, pour order 18): 6.299,128.165 6.655,128.52 9.296,128.52 9.296,128.901 8.712,129.486 8.433,129.765 6.68,129.765 6.68,129.587 6.096,129.003
no net on Bottom Layer "Top Layer-No Net 1" (solid, remove dead copper, pour order 16): 23 vertices, not listed, extent 3.226,127.301 5.664,134.845
no net on Bottom Layer "Top Layer-No Net 1" (solid, remove dead copper, pour order 14): 24 vertices, not listed, extent 0.686,127.123 4.978,139.061
no net on Bottom Layer "Top Layer-No Net 1" (solid, remove dead copper, pour order 12): 26 vertices, not listed, extent 5.512,127.276 11.252,137.944
no net on Bottom Layer "Top Layer-No Net 1" (solid, remove dead copper, pour order 10): 19 vertices, not listed, extent 7.264,130.756 9.855,138.172
no net on Bottom Layer "Top Layer-No Net 1" (solid, remove dead copper, pour order 8): 26 vertices, not listed, extent 13.411,132.076 21.311,136.344
no net on Bottom Layer "Top Layer-No Net 1" (solid, remove dead copper, pour order 6): 18 vertices, not listed, extent 28.702,133.829 33.122,137.969
no net on Bottom Layer "Top Layer-No Net 1" (solid, remove dead copper, pour order 4): 26.213,132.94 26.213,132.127 27.457,130.883 27.483,130.857 29.54,130.857 29.54,131.238 29.489,131.289 28.804,131.289 28.321,131.772 28.169,131.924 28.169,133.245 26.772,133.245 26.619,133.397
no net on Bottom Layer "Top Layer-No Net 1" (solid, remove dead copper, pour order 2): 21.946,136.267 21.057,137.156 21.057,137.918 22.657,137.918 22.758,138.02 22.758,134.489 22.835,134.413 23.114,134.134 23.114,133.143 22.581,133.143 21.971,133.753 21.844,133.88 21.844,134.997 21.844,135.15 22.022,135.328
no net on Bottom Layer "Top Layer-No Net 1" (solid, pour order 116): 105.686,77.417 105.686,90.549 105.914,90.777 105.965,90.726 105.965,89.71 105.965,76.782 106.092,76.655
no net on Bottom Layer "Top Layer-No Net 1" (solid, pour order 114): 112.442,70.686 111.731,70.686 110.817,71.6 105.686,76.731 105.686,77.417 106.041,77.417 107.235,76.223 112.493,70.965 112.645,70.965
no net on Bottom Layer "Top Layer-No Net 1" (solid, pour order 112): 126.082,98.143 126.082,98.829 126.641,99.388 126.819,99.566 126.819,99.794 126.819,101.953 126.539,102.233 127.504,101.267 127.504,100.836 127.581,100.759 127.581,98.143
no net on Bottom Layer "Top Layer-No Net 1" (solid, pour order 110): 123.136,101.191 123.72,101.191 123.999,101.471 124.736,102.207 124.736,102.283 124.609,102.283 123.974,102.918 123.263,102.207 123.263,101.623 123.263,101.572 123.009,101.318
no net on Bottom Layer "Top Layer-No Net 1" (solid, pour order 108): 119.554,101.09 120.011,101.09 120.596,101.674 120.672,101.75 120.672,102.969 122.678,102.969 122.678,102.36 122.196,101.877 121.104,100.785 120.85,100.785
no net on Bottom Layer "Top Layer-No Net 1" (solid, pour order 106): 118.487,101.674 119.427,101.674 119.859,102.106 119.554,102.41 118.919,102.41 118.589,102.41 118.462,102.283
no net on Bottom Layer "Top Layer-No Net 1" (solid, pour order 104): 115.287,100.023 117.344,102.08 117.344,102.41 116.989,102.41 116.595,102.804 115.592,101.801 115.592,101.115 115.592,101.039 115.135,100.582 115.084,100.531 115.084,100.023
no net on Bottom Layer "Top Layer-No Net 1" (solid, pour order 102): 132.686,73.404 132.686,76.248 131.238,77.696 131.111,77.823 131.111,78.077 131.67,78.077 133.905,75.842 134.718,75.029 134.718,73.378
no net on Bottom Layer "Top Layer-No Net 1" (solid, pour order 100): 130.171,73.429 130.171,76.147 129.663,76.655 129.181,77.137 129.181,77.315 130.4,77.315 131.695,76.02 132.178,75.537 132.178,73.378
no net on Bottom Layer "Top Layer-No Net 1" (solid, pour order 98): 127.631,73.48 127.631,75.334 126.717,76.248 127.022,76.553 127.2,76.553 127.86,76.553 128.597,76.553 129.333,75.817 129.638,75.512 129.638,73.429
no net on Bottom Layer "Top Layer-No Net 1" (solid, pour order 96): 20 vertices, not listed, extent 118.386,73.454 127.098,76.274
no net on Bottom Layer "Top Layer-No Net 1" (solid, pour order 94): 135.353,76.909 133.753,76.909 131.848,78.814 132.229,79.195 132.457,79.195 134.083,79.195 134.87,78.407 135.099,78.179 135.48,78.179
no net on Bottom Layer "Top Layer-No Net 1" (solid, pour order 92): 33 vertices, not listed, extent 135.226,71.676 139.138,92.657
no net on Bottom Layer "Top Layer-No Net 1" (solid, pour order 90): 135.226,81.074 135.226,83.64 134.82,84.046 133.702,85.164 133.702,85.748 133.702,86.332 133.55,86.485 133.346,86.688 133.346,87.729 135.378,87.729 135.378,85.977 136.115,85.24 137.258,84.097 137.258,80.414
no net on Bottom Layer "Top Layer-No Net 1" (solid, pour order 88): 132.737,86.18 133.118,85.799 133.118,85.392 133.118,84.707 133.473,84.351 132.838,84.986 132.559,84.986
no net on Bottom Layer "Top Layer-No Net 1" (solid, pour order 86): 132.686,80.998 132.686,84.529 132.356,84.859 132.33,84.884 132.33,85.469 130.832,86.967 130.832,87.729 132.838,87.729 132.838,85.215 133.931,84.122 134.718,83.335 134.718,81.024
no net on Bottom Layer "Top Layer-No Net 1" (solid, pour order 84): 130.146,81.049 130.146,82.878 129.968,83.056 129.46,83.564 129.46,85.037 129.46,85.215 130.298,86.053 131.111,86.053 131.441,85.723 131.873,85.291 131.873,85.265 131.873,84.757 132.076,84.554 132.178,84.453 132.178,81.074
no net on Bottom Layer "Top Layer-No Net 1" (solid, pour order 82): 17 vertices, not listed, extent 127.606,80.998 130.324,88.415
no net on Bottom Layer "Top Layer-No Net 1" (solid, pour order 80): 125.752,87.678 125.752,84.91 125.853,84.808 125.955,84.707 125.955,83.36 125.955,82.878 125.472,82.395 125.066,81.989 125.066,80.998 127.098,80.998 127.098,85.469 127.631,86.002 127.758,86.129 127.758,87.729
no net on Bottom Layer "Top Layer-No Net 1" (solid, pour order 78): 28 vertices, not listed, extent 117.446,78.611 125.549,84.681
no net on Bottom Layer "Top Layer-No Net 1" (solid, pour order 76): 122.272,85.519 123.212,86.459 123.212,87.577 125.041,87.577 125.218,87.755 125.218,86.256 124.406,85.443 124.075,85.113 123.161,85.113 122.729,85.113 122.196,84.58 121.383,83.767 120.85,83.767 120.85,83.995 120.799,84.046
no net on Bottom Layer "Top Layer-No Net 1" (solid, pour order 74): 120.672,87.704 120.672,86.078 120.215,85.621 119.605,85.011 119.605,84.656 120.494,84.656 122.196,86.358 122.678,86.84 122.678,87.78
no net on Bottom Layer "Top Layer-No Net 1" (solid, pour order 72): 117.446,85.646 118.132,86.332 118.132,87.805 120.113,87.805 120.138,87.78 120.138,86.383 119.961,86.205 119.173,85.418 117.598,85.418
no net on Bottom Layer "Top Layer-No Net 1" (solid, pour order 70): 117.598,87.729 117.598,86.383 116.582,85.367 116.151,84.935 115.668,84.935 115.643,84.961 115.643,87.78
no net on Bottom Layer "Top Layer-No Net 1" (solid, pour order 68): 118.462,72.311 117.522,72.311 115.998,73.835 111.909,77.925 111.909,78.306 111.985,78.23 112.823,78.23 113.687,78.23 114.22,77.696 116.354,75.563 117.776,75.563 118.36,75.563 119.199,74.724 119.478,74.445 119.478,73.429
no net on Bottom Layer "Top Layer-No Net 1" (solid, pour order 66): 113.687,71.524 113.001,71.524 112.874,71.651 107.057,77.468 107.057,78.128 109.191,75.994 113.407,71.778 113.788,71.778
no net on Bottom Layer "Top Layer-No Net 1" (solid, pour order 64): 119.986,73.404 119.986,72.438 119.3,71.753 119.605,71.448 120.265,71.448 121.104,71.448 121.535,71.88 122.018,72.362 122.018,73.454
no net on Bottom Layer "Top Layer-No Net 1" (solid, pour order 62): 122.526,73.454 122.526,71.829 121.942,71.245 121.688,70.991 121.332,70.991 121.332,70.965 121.612,70.686 123.263,70.686 124.482,71.905 124.558,71.981 124.558,73.454
no net on Bottom Layer "Top Layer-No Net 1" (solid, pour order 60): 105.686,89.152 105.686,90.701 106.422,91.438 107.819,91.438 108.48,92.098 108.556,92.022 108.556,91.869
no net on Bottom Layer "Top Layer-No Net 1" (solid, pour order 58): 108.433,80.033 108.785,80.033 109.115,80.363 108.734,80.744 108.734,80.77 108.404,80.77 108.099,80.465
no net on Bottom Layer "Top Layer-No Net 1" (solid, remove dead copper, pour order 56): 17 vertices, not listed, extent 107.616,80.033 109.928,90.549
no net on Bottom Layer "Top Layer-No Net 1" (solid, remove dead copper, pour order 54): 113.484,82.649 113.484,79.169 112.976,78.661 112.569,78.661 111.96,79.271 110.715,80.516 110.715,83.208 113.484,83.208
no net on Bottom Layer "Top Layer-No Net 1" (solid, remove dead copper, pour order 52): 24 vertices, not listed, extent 110.715,81.836 115.058,92.047
no net on Bottom Layer "Top Layer-No Net 1" (solid, remove dead copper, pour order 50): 131.721,100.886 132.432,100.175 132.889,100.175 132.94,100.175 133.575,99.54 133.778,99.743 134.337,99.743 134.337,99.947 132.737,101.547 132.711,101.521 131.594,101.521
no net on Bottom Layer "Top Layer-No Net 1" (solid, remove dead copper, pour order 48): 132.991,100.886 131.721,100.886 131.238,101.369 130.832,101.775 130.832,102.868 132.508,102.868 132.711,103.071 132.737,103.045 132.737,101.547 132.737,101.344 133.169,100.912
no net on Bottom Layer "Top Layer-No Net 1" (solid, remove dead copper, pour order 46): 130.654,98.194 130.654,100.886 130.324,101.217 130.298,101.242 130.298,102.868 128.393,102.868 128.317,102.944 128.317,99.997 128.597,99.718 128.622,99.693 128.622,98.169
no net on Bottom Layer "Top Layer-No Net 1" (solid, remove dead copper, pour order 44): 136.267,104.061 137.918,104.061 139.315,102.664 139.315,99.388 139.163,99.388 138.96,99.591 136.267,102.283 136.242,102.283
no net on Bottom Layer "Top Layer-No Net 1" (solid, remove dead copper, pour order 42): 110.512,101.852 110.512,100.378 111.045,99.845 111.426,99.464 111.426,101.09 111.579,101.242 111.655,101.318 111.655,102.283 110.715,102.283 110.512,102.487
no net on Bottom Layer "Top Layer-No Net 1" (solid, pour order 40): 109.978,101.572 109.978,100.734 109.724,100.48 109.623,100.378 108.505,100.378 108.505,101.318 108.962,101.775
no net on Bottom Layer "Top Layer-No Net 1" (solid, remove dead copper, pour order 38): 133.727,90.498 133.727,92.86 133.169,93.419 131.568,95.019 131.568,95.375 131.975,94.968 133.499,94.968 133.778,94.968 134.87,93.876 135.709,93.038 135.709,90.498
no net on Bottom Layer "Top Layer-No Net 1" (solid, remove dead copper, pour order 36): 131.162,90.523 131.162,93.52 129.994,94.689 129.257,95.425 129.028,95.425 129.028,95.679 129.079,95.73 129.968,95.73 131.899,93.8 133.194,92.504 133.194,90.447
no net on Bottom Layer "Top Layer-No Net 1" (solid, remove dead copper, pour order 34): 128.622,90.549 128.622,93.546 127.885,94.282 127.504,94.663 127.2,94.663 127.301,94.663 127.606,94.968 128.698,94.968 129.689,93.978 130.654,93.012 130.654,90.549
no net on Bottom Layer "Top Layer-No Net 1" (solid, remove dead copper, pour order 32): 126.082,90.549 126.082,93.089 125.32,93.851 125.269,93.901 125.269,94.206 126.869,94.206 127.835,93.241 128.114,92.962 128.114,90.625